# KiCad board fs_resistor_0805_panel.kicad_pcb
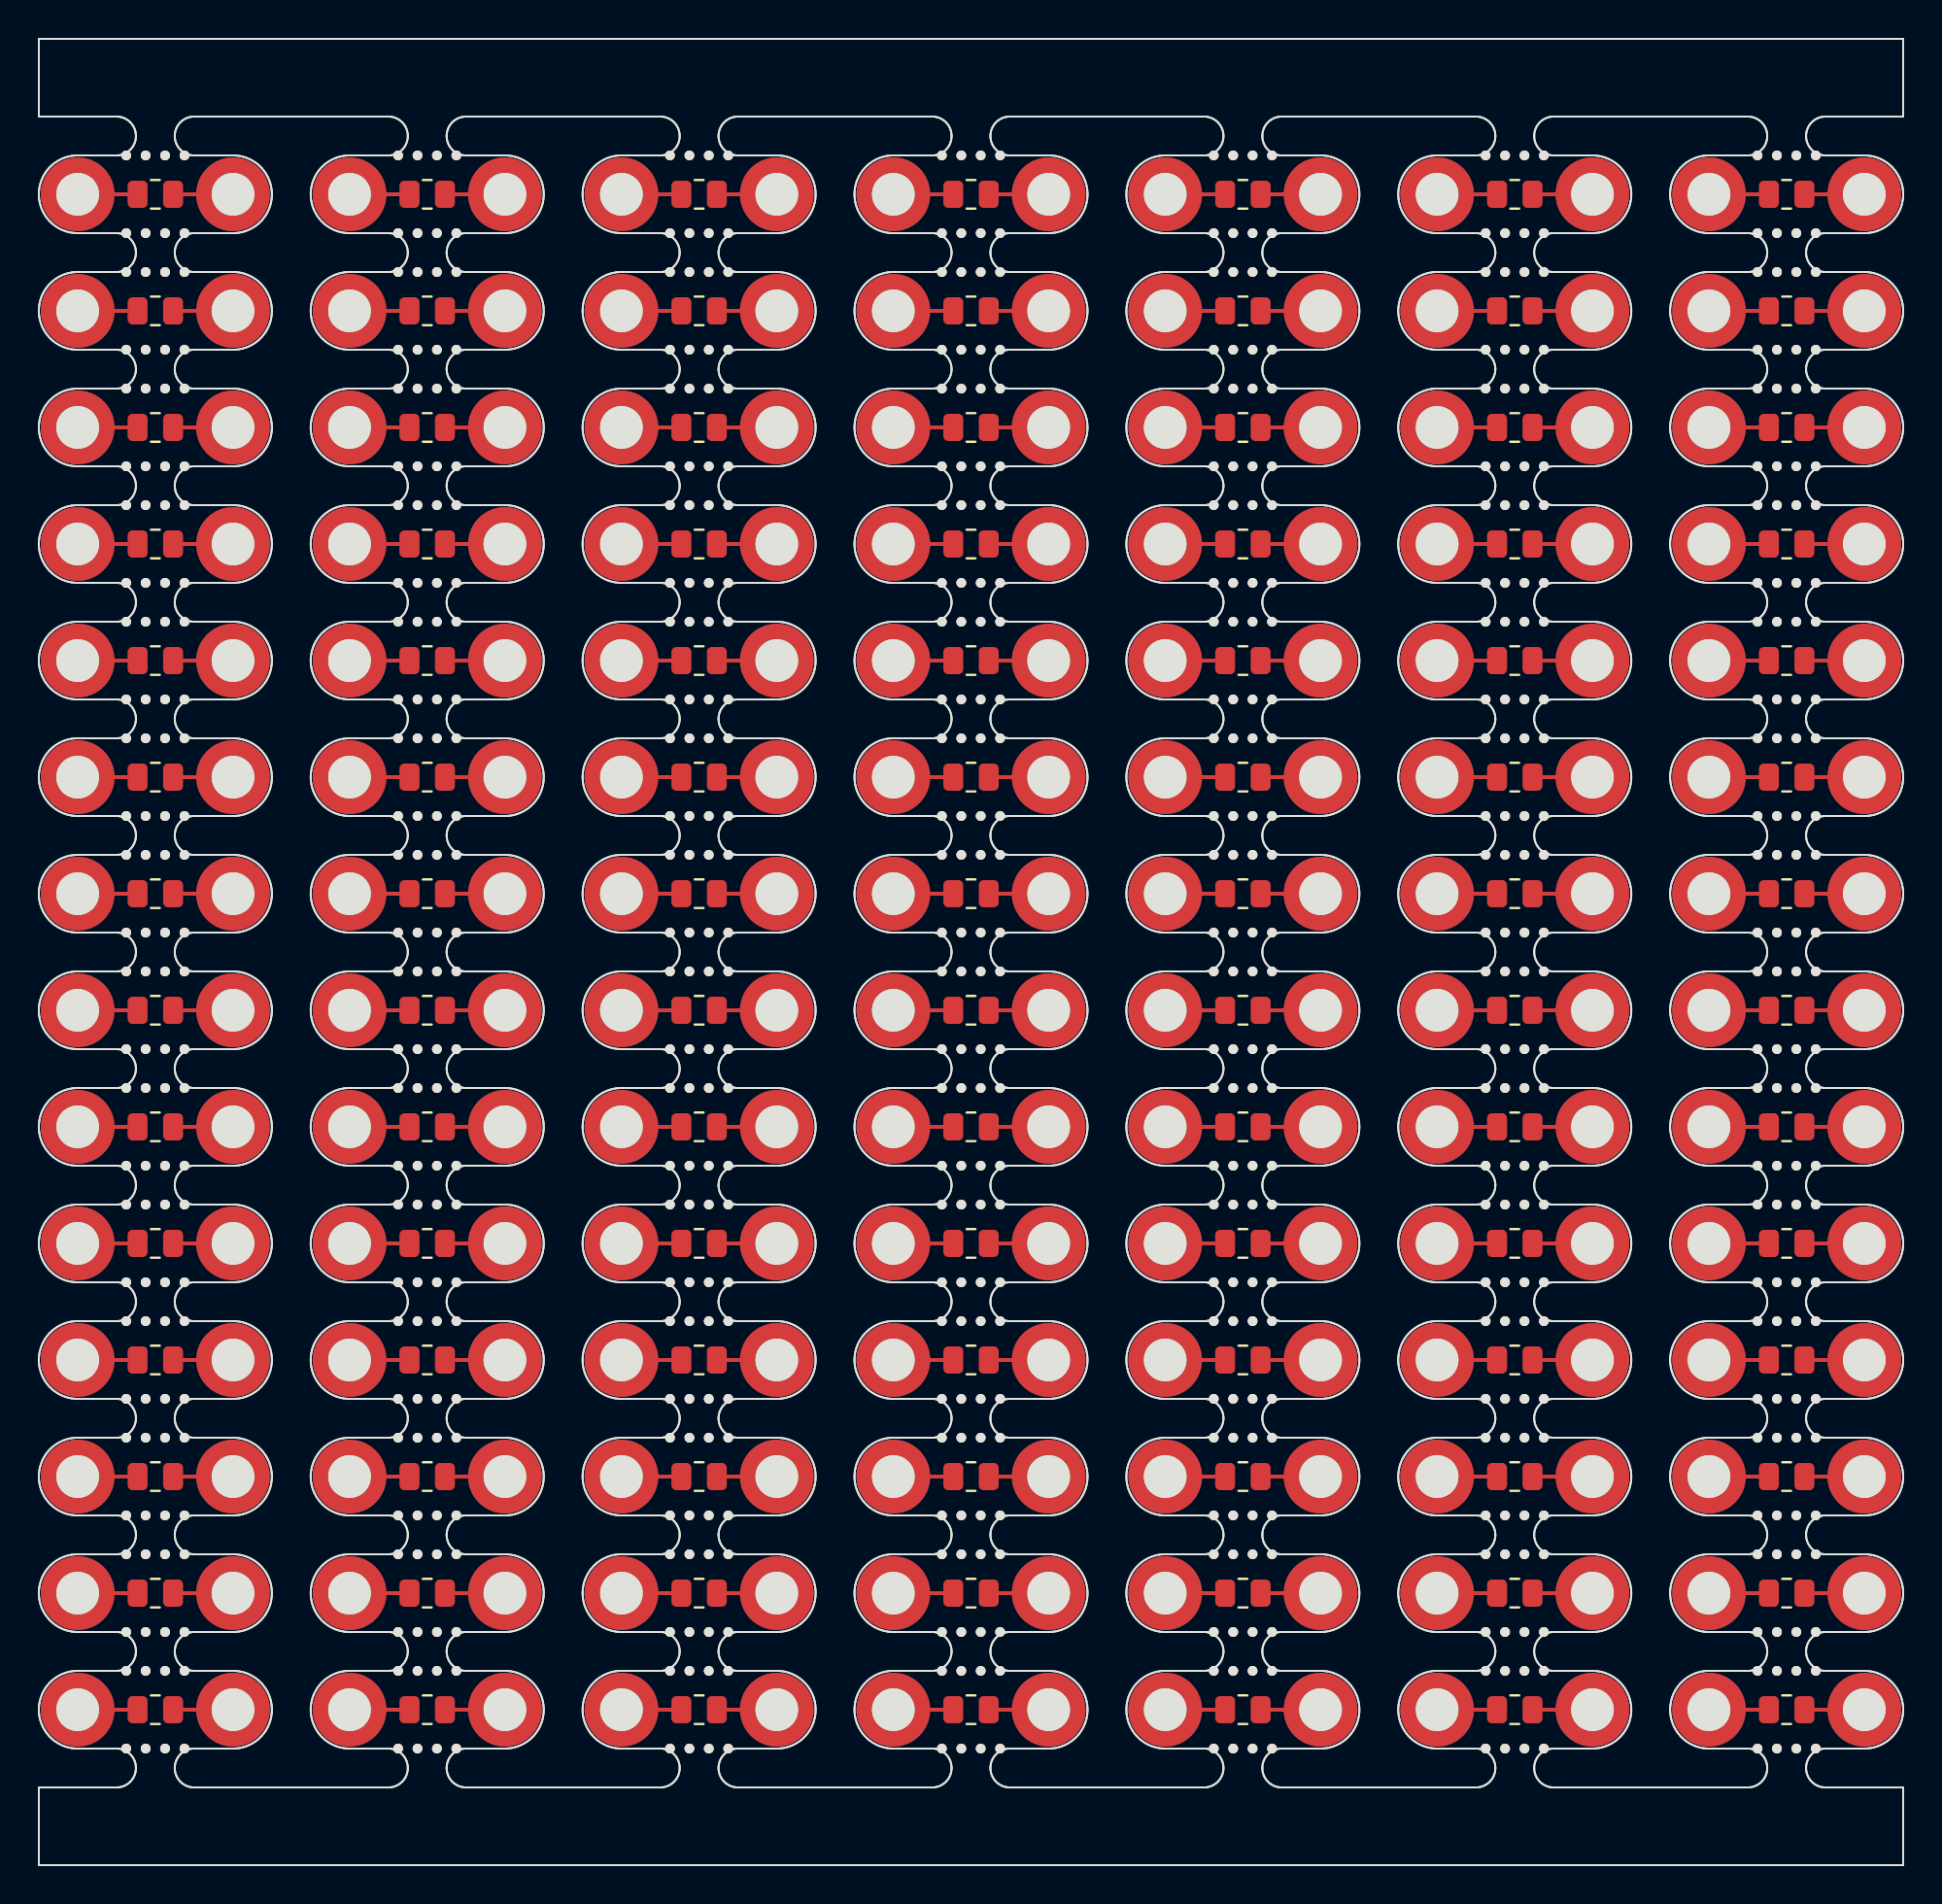
[diagram p0: board, top side]
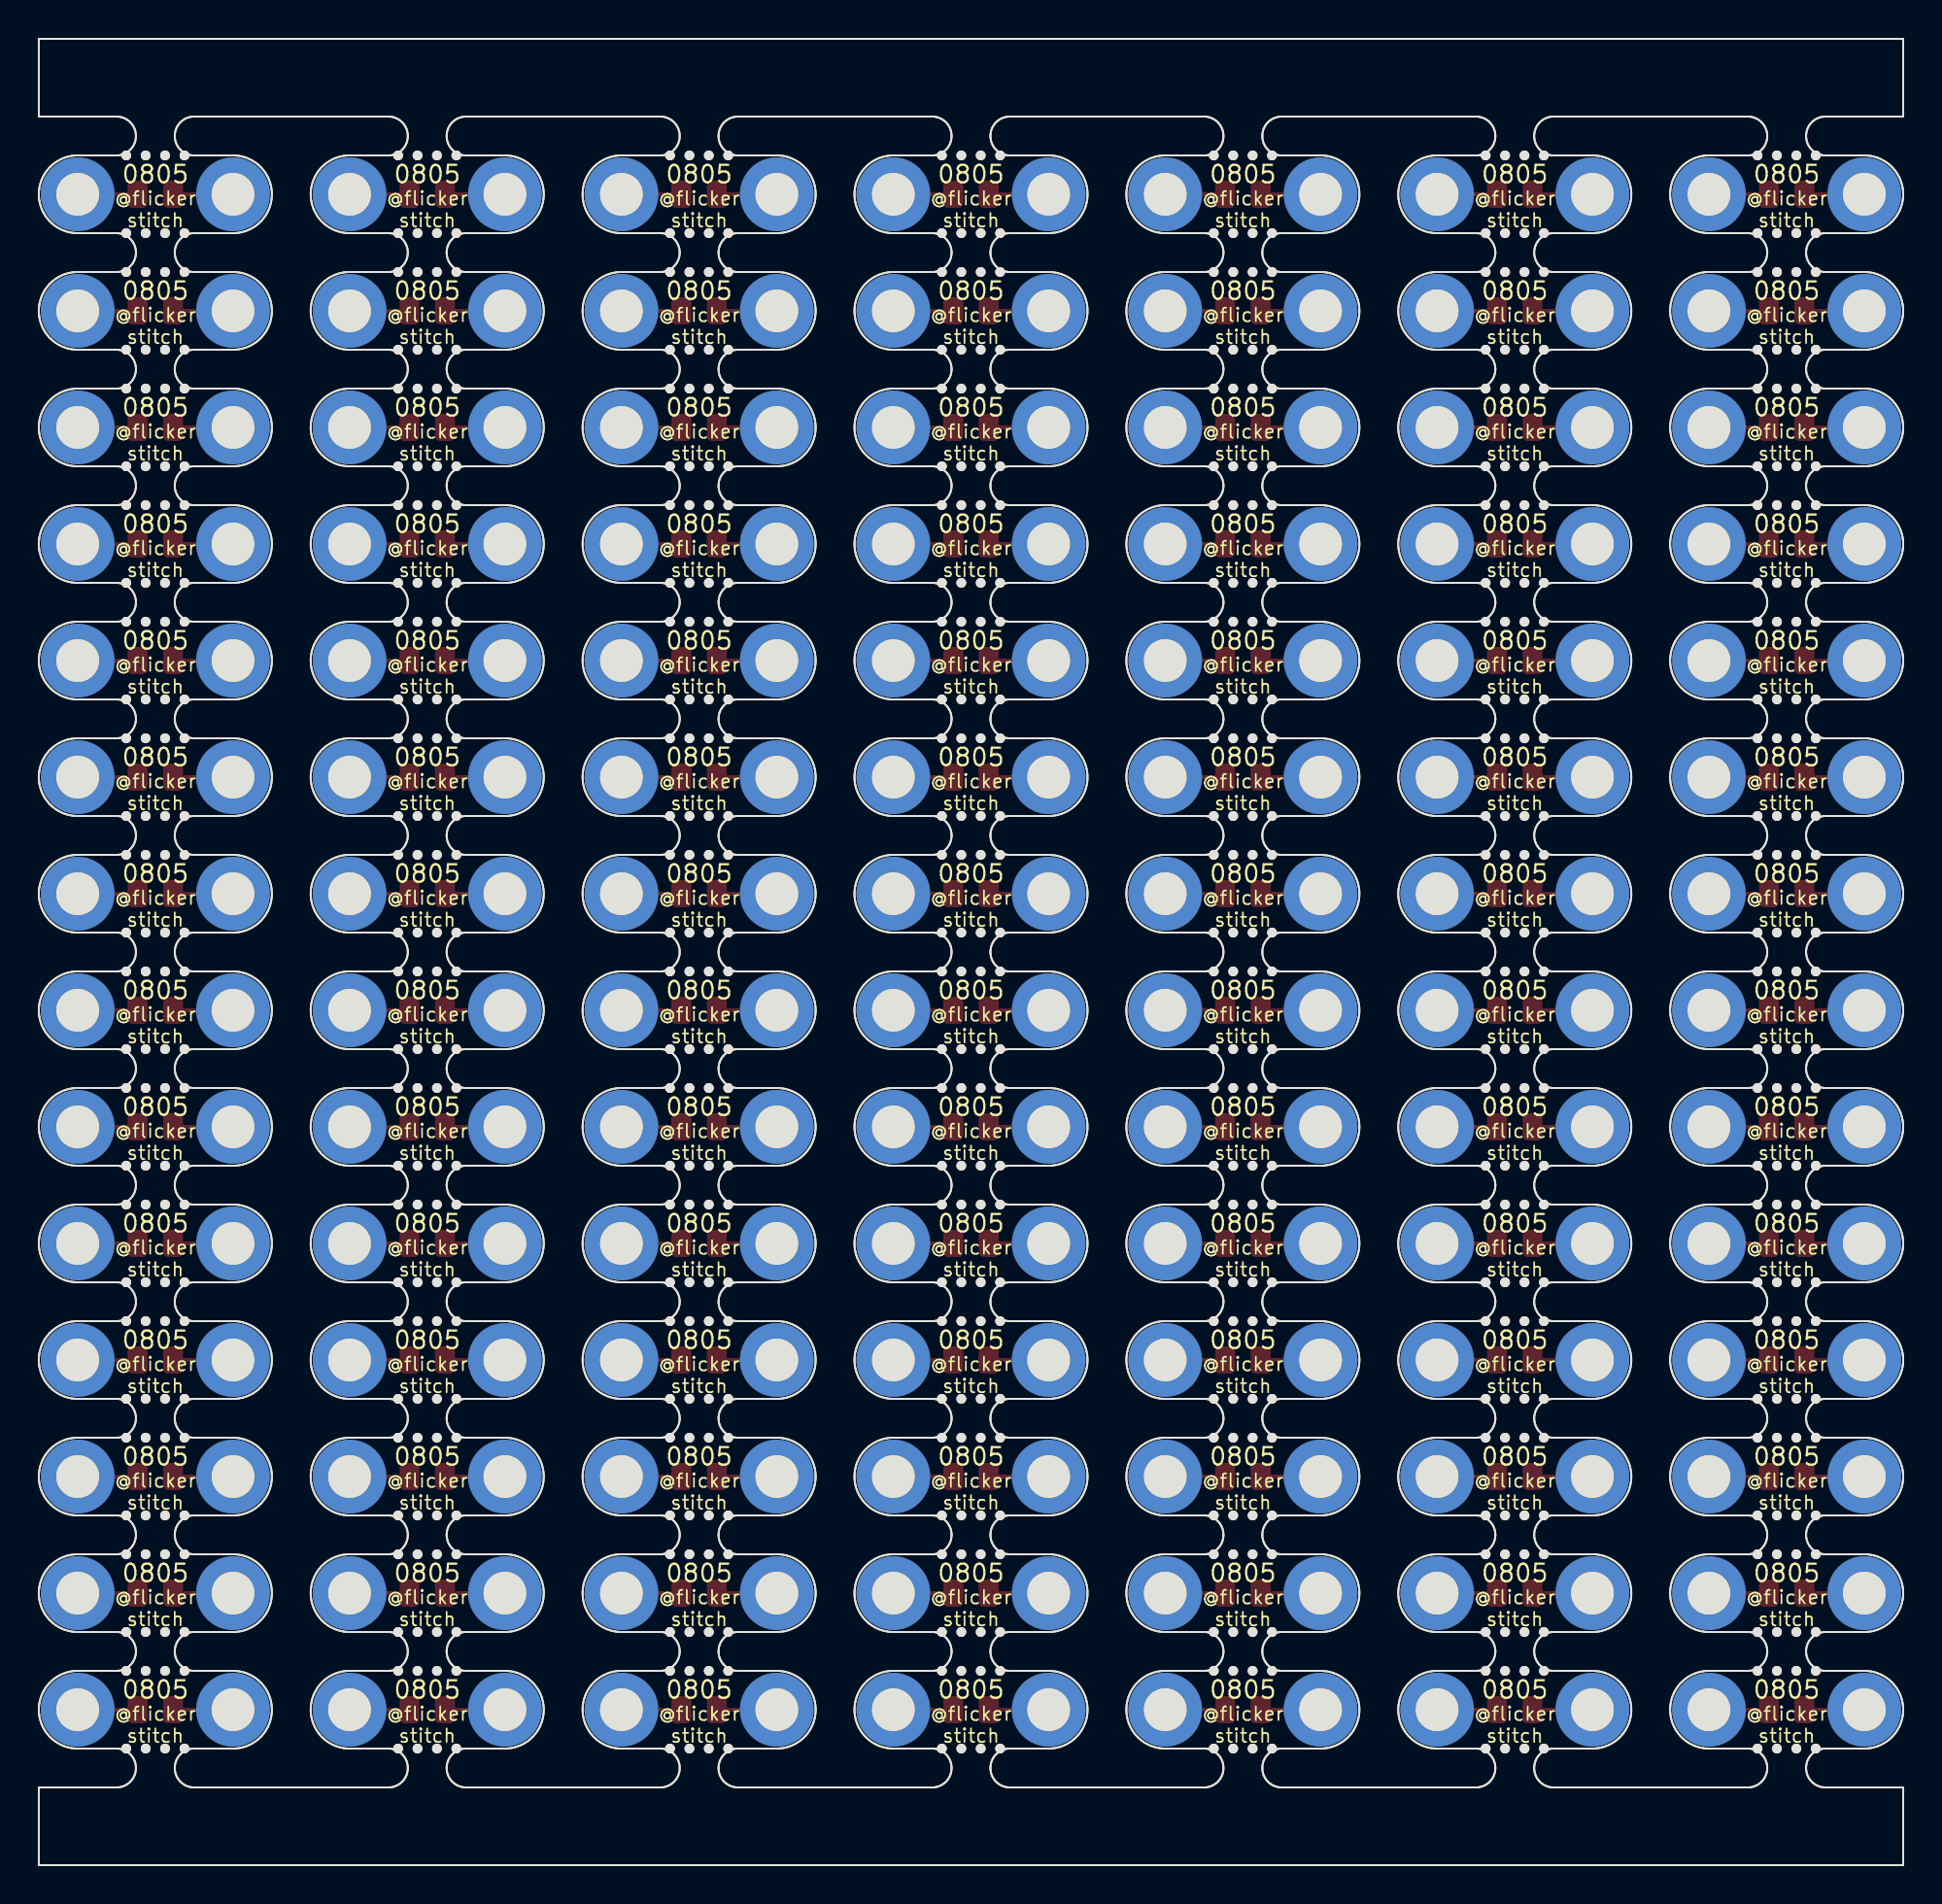
[diagram p1: board, bottom side, seen from below]

Outline 96 x 94 mm; copper layers: Top, Bottom. Coordinates in mm from the lower left corner of the outline.

## Placement (name value [footprint] x y rotation side)
H1  MountingHole_Pad  [MountingHole_2.2mm_M2_DIN965_Pad]  30 20 0 top
H1#2  MountingHole_Pad  [MountingHole_2.2mm_M2_DIN965_Pad]  30 62 0 top
H1#3  MountingHole_Pad  [MountingHole_2.2mm_M2_DIN965_Pad]  58 14 0 top
H1#4  MountingHole_Pad  [MountingHole_2.2mm_M2_DIN965_Pad]  58 56 0 top
H1#5  MountingHole_Pad  [MountingHole_2.2mm_M2_DIN965_Pad]  30 26 0 top
H1#6  MountingHole_Pad  [MountingHole_2.2mm_M2_DIN965_Pad]  72 44 0 top
H1#7  MountingHole_Pad  [MountingHole_2.2mm_M2_DIN965_Pad]  44 32 0 top
H1#8  MountingHole_Pad  [MountingHole_2.2mm_M2_DIN965_Pad]  16 62 0 top
H1#9  MountingHole_Pad  [MountingHole_2.2mm_M2_DIN965_Pad]  16 14 0 top
H1#10  MountingHole_Pad  [MountingHole_2.2mm_M2_DIN965_Pad]  16 86 0 top
H1#11  MountingHole_Pad  [MountingHole_2.2mm_M2_DIN965_Pad]  44 8 0 top
H1#12  MountingHole_Pad  [MountingHole_2.2mm_M2_DIN965_Pad]  44 68 0 top
H1#13  MountingHole_Pad  [MountingHole_2.2mm_M2_DIN965_Pad]  16 50 0 top
H1#14  MountingHole_Pad  [MountingHole_2.2mm_M2_DIN965_Pad]  44 50 0 top
H1#15  MountingHole_Pad  [MountingHole_2.2mm_M2_DIN965_Pad]  86 14 0 top
H1#16  MountingHole_Pad  [MountingHole_2.2mm_M2_DIN965_Pad]  58 20 0 top
H1#17  MountingHole_Pad  [MountingHole_2.2mm_M2_DIN965_Pad]  58 38 0 top
H1#18  MountingHole_Pad  [MountingHole_2.2mm_M2_DIN965_Pad]  2 74 0 top
H1#19  MountingHole_Pad  [MountingHole_2.2mm_M2_DIN965_Pad]  72 62 0 top
H1#20  MountingHole_Pad  [MountingHole_2.2mm_M2_DIN965_Pad]  16 20 0 top
H1#21  MountingHole_Pad  [MountingHole_2.2mm_M2_DIN965_Pad]  44 44 0 top
H1#22  MountingHole_Pad  [MountingHole_2.2mm_M2_DIN965_Pad]  58 62 0 top
H1#23  MountingHole_Pad  [MountingHole_2.2mm_M2_DIN965_Pad]  72 74 0 top
H1#24  MountingHole_Pad  [MountingHole_2.2mm_M2_DIN965_Pad]  16 32 0 top
H1#25  MountingHole_Pad  [MountingHole_2.2mm_M2_DIN965_Pad]  16 68 0 top
H1#26  MountingHole_Pad  [MountingHole_2.2mm_M2_DIN965_Pad]  16 56 0 top
H1#27  MountingHole_Pad  [MountingHole_2.2mm_M2_DIN965_Pad]  30 56 0 top
H1#28  MountingHole_Pad  [MountingHole_2.2mm_M2_DIN965_Pad]  2 80 0 top
H1#29  MountingHole_Pad  [MountingHole_2.2mm_M2_DIN965_Pad]  58 8 0 top
H1#30  MountingHole_Pad  [MountingHole_2.2mm_M2_DIN965_Pad]  72 26 0 top
H1#31  MountingHole_Pad  [MountingHole_2.2mm_M2_DIN965_Pad]  86 68 0 top
H1#32  MountingHole_Pad  [MountingHole_2.2mm_M2_DIN965_Pad]  86 86 0 top
H1#33  MountingHole_Pad  [MountingHole_2.2mm_M2_DIN965_Pad]  58 26 0 top
H1#34  MountingHole_Pad  [MountingHole_2.2mm_M2_DIN965_Pad]  44 38 0 top
H1#35  MountingHole_Pad  [MountingHole_2.2mm_M2_DIN965_Pad]  30 38 0 top
H1#36  MountingHole_Pad  [MountingHole_2.2mm_M2_DIN965_Pad]  30 80 0 top
H1#37  MountingHole_Pad  [MountingHole_2.2mm_M2_DIN965_Pad]  72 8 0 top
H1#38  MountingHole_Pad  [MountingHole_2.2mm_M2_DIN965_Pad]  16 44 0 top
H1#39  MountingHole_Pad  [MountingHole_2.2mm_M2_DIN965_Pad]  44 62 0 top
H1#40  MountingHole_Pad  [MountingHole_2.2mm_M2_DIN965_Pad]  30 86 0 top
H1#41  MountingHole_Pad  [MountingHole_2.2mm_M2_DIN965_Pad]  58 32 0 top
H1#42  MountingHole_Pad  [MountingHole_2.2mm_M2_DIN965_Pad]  30 8 0 top
H1#43  MountingHole_Pad  [MountingHole_2.2mm_M2_DIN965_Pad]  86 26 0 top
H1#44  MountingHole_Pad  [MountingHole_2.2mm_M2_DIN965_Pad]  72 14 0 top
H1#45  MountingHole_Pad  [MountingHole_2.2mm_M2_DIN965_Pad]  30 32 0 top
H1#46  MountingHole_Pad  [MountingHole_2.2mm_M2_DIN965_Pad]  72 80 0 top
H1#47  MountingHole_Pad  [MountingHole_2.2mm_M2_DIN965_Pad]  2 56 0 top
H1#48  MountingHole_Pad  [MountingHole_2.2mm_M2_DIN965_Pad]  2 68 0 top
H1#49  MountingHole_Pad  [MountingHole_2.2mm_M2_DIN965_Pad]  30 74 0 top
H1#50  MountingHole_Pad  [MountingHole_2.2mm_M2_DIN965_Pad]  86 8 0 top
H1#51  MountingHole_Pad  [MountingHole_2.2mm_M2_DIN965_Pad]  86 38 0 top
H1#52  MountingHole_Pad  [MountingHole_2.2mm_M2_DIN965_Pad]  86 62 0 top
H1#53  MountingHole_Pad  [MountingHole_2.2mm_M2_DIN965_Pad]  58 44 0 top
H1#54  MountingHole_Pad  [MountingHole_2.2mm_M2_DIN965_Pad]  2 50 0 top
H1#55  MountingHole_Pad  [MountingHole_2.2mm_M2_DIN965_Pad]  44 74 0 top
H1#56  MountingHole_Pad  [MountingHole_2.2mm_M2_DIN965_Pad]  2 14 0 top
H1#57  MountingHole_Pad  [MountingHole_2.2mm_M2_DIN965_Pad]  44 20 0 top
H1#58  MountingHole_Pad  [MountingHole_2.2mm_M2_DIN965_Pad]  2 32 0 top
H1#59  MountingHole_Pad  [MountingHole_2.2mm_M2_DIN965_Pad]  58 74 0 top
H1#60  MountingHole_Pad  [MountingHole_2.2mm_M2_DIN965_Pad]  2 86 0 top
H1#61  MountingHole_Pad  [MountingHole_2.2mm_M2_DIN965_Pad]  16 74 0 top
H1#62  MountingHole_Pad  [MountingHole_2.2mm_M2_DIN965_Pad]  58 68 0 top
H1#63  MountingHole_Pad  [MountingHole_2.2mm_M2_DIN965_Pad]  16 8 0 top
H1#64  MountingHole_Pad  [MountingHole_2.2mm_M2_DIN965_Pad]  2 26 0 top
H1#65  MountingHole_Pad  [MountingHole_2.2mm_M2_DIN965_Pad]  30 14 0 top
H1#66  MountingHole_Pad  [MountingHole_2.2mm_M2_DIN965_Pad]  72 32 0 top
H1#67  MountingHole_Pad  [MountingHole_2.2mm_M2_DIN965_Pad]  2 8 0 top
H1#68  MountingHole_Pad  [MountingHole_2.2mm_M2_DIN965_Pad]  86 74 0 top
H1#69  MountingHole_Pad  [MountingHole_2.2mm_M2_DIN965_Pad]  30 68 0 top
H1#70  MountingHole_Pad  [MountingHole_2.2mm_M2_DIN965_Pad]  72 50 0 top
H1#71  MountingHole_Pad  [MountingHole_2.2mm_M2_DIN965_Pad]  72 68 0 top
H1#72  MountingHole_Pad  [MountingHole_2.2mm_M2_DIN965_Pad]  58 86 0 top
H1#73  MountingHole_Pad  [MountingHole_2.2mm_M2_DIN965_Pad]  2 62 0 top
H1#74  MountingHole_Pad  [MountingHole_2.2mm_M2_DIN965_Pad]  16 26 0 top
H1#75  MountingHole_Pad  [MountingHole_2.2mm_M2_DIN965_Pad]  44 14 0 top
H1#76  MountingHole_Pad  [MountingHole_2.2mm_M2_DIN965_Pad]  44 26 0 top
H1#77  MountingHole_Pad  [MountingHole_2.2mm_M2_DIN965_Pad]  86 20 0 top
H1#78  MountingHole_Pad  [MountingHole_2.2mm_M2_DIN965_Pad]  72 86 0 top
H1#79  MountingHole_Pad  [MountingHole_2.2mm_M2_DIN965_Pad]  72 38 0 top
H1#80  MountingHole_Pad  [MountingHole_2.2mm_M2_DIN965_Pad]  44 56 0 top
H1#81  MountingHole_Pad  [MountingHole_2.2mm_M2_DIN965_Pad]  44 86 0 top
H1#82  MountingHole_Pad  [MountingHole_2.2mm_M2_DIN965_Pad]  16 80 0 top
H1#83  MountingHole_Pad  [MountingHole_2.2mm_M2_DIN965_Pad]  58 50 0 top
H1#84  MountingHole_Pad  [MountingHole_2.2mm_M2_DIN965_Pad]  2 20 0 top
H1#85  MountingHole_Pad  [MountingHole_2.2mm_M2_DIN965_Pad]  86 50 0 top
H1#86  MountingHole_Pad  [MountingHole_2.2mm_M2_DIN965_Pad]  86 32 0 top
H1#87  MountingHole_Pad  [MountingHole_2.2mm_M2_DIN965_Pad]  72 56 0 top
H1#88  MountingHole_Pad  [MountingHole_2.2mm_M2_DIN965_Pad]  72 20 0 top
H1#89  MountingHole_Pad  [MountingHole_2.2mm_M2_DIN965_Pad]  58 80 0 top
H1#90  MountingHole_Pad  [MountingHole_2.2mm_M2_DIN965_Pad]  30 44 0 top
H1#91  MountingHole_Pad  [MountingHole_2.2mm_M2_DIN965_Pad]  44 80 0 top
H1#92  MountingHole_Pad  [MountingHole_2.2mm_M2_DIN965_Pad]  2 38 0 top
H1#93  MountingHole_Pad  [MountingHole_2.2mm_M2_DIN965_Pad]  2 44 0 top
H1#94  MountingHole_Pad  [MountingHole_2.2mm_M2_DIN965_Pad]  16 38 0 top
H1#95  MountingHole_Pad  [MountingHole_2.2mm_M2_DIN965_Pad]  86 80 0 top
H1#96  MountingHole_Pad  [MountingHole_2.2mm_M2_DIN965_Pad]  30 50 0 top
H1#97  MountingHole_Pad  [MountingHole_2.2mm_M2_DIN965_Pad]  86 44 0 top
H1#98  MountingHole_Pad  [MountingHole_2.2mm_M2_DIN965_Pad]  86 56 0 top
H2  MountingHole_Pad  [MountingHole_2.2mm_M2_DIN965_Pad]  66 86 0 top
H2#2  MountingHole_Pad  [MountingHole_2.2mm_M2_DIN965_Pad]  38 8 0 top
H2#3  MountingHole_Pad  [MountingHole_2.2mm_M2_DIN965_Pad]  80 38 0 top
H2#4  MountingHole_Pad  [MountingHole_2.2mm_M2_DIN965_Pad]  10 74 0 top
H2#5  MountingHole_Pad  [MountingHole_2.2mm_M2_DIN965_Pad]  10 68 0 top
H2#6  MountingHole_Pad  [MountingHole_2.2mm_M2_DIN965_Pad]  80 20 0 top
H2#7  MountingHole_Pad  [MountingHole_2.2mm_M2_DIN965_Pad]  38 86 0 top
H2#8  MountingHole_Pad  [MountingHole_2.2mm_M2_DIN965_Pad]  24 38 0 top
H2#9  MountingHole_Pad  [MountingHole_2.2mm_M2_DIN965_Pad]  24 20 0 top
H2#10  MountingHole_Pad  [MountingHole_2.2mm_M2_DIN965_Pad]  10 80 0 top
H2#11  MountingHole_Pad  [MountingHole_2.2mm_M2_DIN965_Pad]  94 80 0 top
H2#12  MountingHole_Pad  [MountingHole_2.2mm_M2_DIN965_Pad]  80 68 0 top
H2#13  MountingHole_Pad  [MountingHole_2.2mm_M2_DIN965_Pad]  80 44 0 top
H2#14  MountingHole_Pad  [MountingHole_2.2mm_M2_DIN965_Pad]  10 44 0 top
H2#15  MountingHole_Pad  [MountingHole_2.2mm_M2_DIN965_Pad]  24 86 0 top
H2#16  MountingHole_Pad  [MountingHole_2.2mm_M2_DIN965_Pad]  94 62 0 top
H2#17  MountingHole_Pad  [MountingHole_2.2mm_M2_DIN965_Pad]  94 68 0 top
H2#18  MountingHole_Pad  [MountingHole_2.2mm_M2_DIN965_Pad]  94 26 0 top
H2#19  MountingHole_Pad  [MountingHole_2.2mm_M2_DIN965_Pad]  38 38 0 top
H2#20  MountingHole_Pad  [MountingHole_2.2mm_M2_DIN965_Pad]  94 38 0 top
H2#21  MountingHole_Pad  [MountingHole_2.2mm_M2_DIN965_Pad]  10 50 0 top
H2#22  MountingHole_Pad  [MountingHole_2.2mm_M2_DIN965_Pad]  94 14 0 top
H2#23  MountingHole_Pad  [MountingHole_2.2mm_M2_DIN965_Pad]  38 44 0 top
H2#24  MountingHole_Pad  [MountingHole_2.2mm_M2_DIN965_Pad]  10 14 0 top
H2#25  MountingHole_Pad  [MountingHole_2.2mm_M2_DIN965_Pad]  38 74 0 top
H2#26  MountingHole_Pad  [MountingHole_2.2mm_M2_DIN965_Pad]  80 86 0 top
H2#27  MountingHole_Pad  [MountingHole_2.2mm_M2_DIN965_Pad]  52 44 0 top
H2#28  MountingHole_Pad  [MountingHole_2.2mm_M2_DIN965_Pad]  38 56 0 top
H2#29  MountingHole_Pad  [MountingHole_2.2mm_M2_DIN965_Pad]  66 26 0 top
H2#30  MountingHole_Pad  [MountingHole_2.2mm_M2_DIN965_Pad]  52 20 0 top
H2#31  MountingHole_Pad  [MountingHole_2.2mm_M2_DIN965_Pad]  52 8 0 top
H2#32  MountingHole_Pad  [MountingHole_2.2mm_M2_DIN965_Pad]  66 80 0 top
H2#33  MountingHole_Pad  [MountingHole_2.2mm_M2_DIN965_Pad]  10 8 0 top
H2#34  MountingHole_Pad  [MountingHole_2.2mm_M2_DIN965_Pad]  52 56 0 top
H2#35  MountingHole_Pad  [MountingHole_2.2mm_M2_DIN965_Pad]  66 32 0 top
H2#36  MountingHole_Pad  [MountingHole_2.2mm_M2_DIN965_Pad]  66 56 0 top
H2#37  MountingHole_Pad  [MountingHole_2.2mm_M2_DIN965_Pad]  52 38 0 top
H2#38  MountingHole_Pad  [MountingHole_2.2mm_M2_DIN965_Pad]  10 26 0 top
H2#39  MountingHole_Pad  [MountingHole_2.2mm_M2_DIN965_Pad]  80 50 0 top
H2#40  MountingHole_Pad  [MountingHole_2.2mm_M2_DIN965_Pad]  24 80 0 top
H2#41  MountingHole_Pad  [MountingHole_2.2mm_M2_DIN965_Pad]  94 20 0 top
H2#42  MountingHole_Pad  [MountingHole_2.2mm_M2_DIN965_Pad]  66 68 0 top
H2#43  MountingHole_Pad  [MountingHole_2.2mm_M2_DIN965_Pad]  10 38 0 top
H2#44  MountingHole_Pad  [MountingHole_2.2mm_M2_DIN965_Pad]  52 50 0 top
H2#45  MountingHole_Pad  [MountingHole_2.2mm_M2_DIN965_Pad]  52 86 0 top
H2#46  MountingHole_Pad  [MountingHole_2.2mm_M2_DIN965_Pad]  94 50 0 top
H2#47  MountingHole_Pad  [MountingHole_2.2mm_M2_DIN965_Pad]  38 50 0 top
H2#48  MountingHole_Pad  [MountingHole_2.2mm_M2_DIN965_Pad]  24 14 0 top
H2#49  MountingHole_Pad  [MountingHole_2.2mm_M2_DIN965_Pad]  24 62 0 top
H2#50  MountingHole_Pad  [MountingHole_2.2mm_M2_DIN965_Pad]  38 14 0 top
H2#51  MountingHole_Pad  [MountingHole_2.2mm_M2_DIN965_Pad]  38 32 0 top
H2#52  MountingHole_Pad  [MountingHole_2.2mm_M2_DIN965_Pad]  80 26 0 top
H2#53  MountingHole_Pad  [MountingHole_2.2mm_M2_DIN965_Pad]  80 74 0 top
H2#54  MountingHole_Pad  [MountingHole_2.2mm_M2_DIN965_Pad]  52 62 0 top
H2#55  MountingHole_Pad  [MountingHole_2.2mm_M2_DIN965_Pad]  80 62 0 top
H2#56  MountingHole_Pad  [MountingHole_2.2mm_M2_DIN965_Pad]  52 68 0 top
H2#57  MountingHole_Pad  [MountingHole_2.2mm_M2_DIN965_Pad]  38 80 0 top
H2#58  MountingHole_Pad  [MountingHole_2.2mm_M2_DIN965_Pad]  24 74 0 top
H2#59  MountingHole_Pad  [MountingHole_2.2mm_M2_DIN965_Pad]  94 56 0 top
H2#60  MountingHole_Pad  [MountingHole_2.2mm_M2_DIN965_Pad]  66 8 0 top
H2#61  MountingHole_Pad  [MountingHole_2.2mm_M2_DIN965_Pad]  38 62 0 top
H2#62  MountingHole_Pad  [MountingHole_2.2mm_M2_DIN965_Pad]  38 20 0 top
H2#63  MountingHole_Pad  [MountingHole_2.2mm_M2_DIN965_Pad]  24 50 0 top
H2#64  MountingHole_Pad  [MountingHole_2.2mm_M2_DIN965_Pad]  52 74 0 top
H2#65  MountingHole_Pad  [MountingHole_2.2mm_M2_DIN965_Pad]  24 56 0 top
H2#66  MountingHole_Pad  [MountingHole_2.2mm_M2_DIN965_Pad]  94 86 0 top
H2#67  MountingHole_Pad  [MountingHole_2.2mm_M2_DIN965_Pad]  66 44 0 top
H2#68  MountingHole_Pad  [MountingHole_2.2mm_M2_DIN965_Pad]  24 44 0 top
H2#69  MountingHole_Pad  [MountingHole_2.2mm_M2_DIN965_Pad]  80 8 0 top
H2#70  MountingHole_Pad  [MountingHole_2.2mm_M2_DIN965_Pad]  52 32 0 top
H2#71  MountingHole_Pad  [MountingHole_2.2mm_M2_DIN965_Pad]  10 62 0 top
H2#72  MountingHole_Pad  [MountingHole_2.2mm_M2_DIN965_Pad]  80 14 0 top
H2#73  MountingHole_Pad  [MountingHole_2.2mm_M2_DIN965_Pad]  10 56 0 top
H2#74  MountingHole_Pad  [MountingHole_2.2mm_M2_DIN965_Pad]  94 74 0 top
H2#75  MountingHole_Pad  [MountingHole_2.2mm_M2_DIN965_Pad]  66 20 0 top
H2#76  MountingHole_Pad  [MountingHole_2.2mm_M2_DIN965_Pad]  24 68 0 top
H2#77  MountingHole_Pad  [MountingHole_2.2mm_M2_DIN965_Pad]  80 56 0 top
H2#78  MountingHole_Pad  [MountingHole_2.2mm_M2_DIN965_Pad]  24 8 0 top
H2#79  MountingHole_Pad  [MountingHole_2.2mm_M2_DIN965_Pad]  38 26 0 top
H2#80  MountingHole_Pad  [MountingHole_2.2mm_M2_DIN965_Pad]  52 26 0 top
H2#81  MountingHole_Pad  [MountingHole_2.2mm_M2_DIN965_Pad]  94 44 0 top
H2#82  MountingHole_Pad  [MountingHole_2.2mm_M2_DIN965_Pad]  66 14 0 top
H2#83  MountingHole_Pad  [MountingHole_2.2mm_M2_DIN965_Pad]  10 20 0 top
H2#84  MountingHole_Pad  [MountingHole_2.2mm_M2_DIN965_Pad]  66 74 0 top
H2#85  MountingHole_Pad  [MountingHole_2.2mm_M2_DIN965_Pad]  80 80 0 top
H2#86  MountingHole_Pad  [MountingHole_2.2mm_M2_DIN965_Pad]  52 14 0 top
H2#87  MountingHole_Pad  [MountingHole_2.2mm_M2_DIN965_Pad]  10 32 0 top
H2#88  MountingHole_Pad  [MountingHole_2.2mm_M2_DIN965_Pad]  10 86 0 top
H2#89  MountingHole_Pad  [MountingHole_2.2mm_M2_DIN965_Pad]  24 32 0 top
H2#90  MountingHole_Pad  [MountingHole_2.2mm_M2_DIN965_Pad]  66 38 0 top
H2#91  MountingHole_Pad  [MountingHole_2.2mm_M2_DIN965_Pad]  80 32 0 top
H2#92  MountingHole_Pad  [MountingHole_2.2mm_M2_DIN965_Pad]  66 62 0 top
H2#93  MountingHole_Pad  [MountingHole_2.2mm_M2_DIN965_Pad]  52 80 0 top
H2#94  MountingHole_Pad  [MountingHole_2.2mm_M2_DIN965_Pad]  94 8 0 top
H2#95  MountingHole_Pad  [MountingHole_2.2mm_M2_DIN965_Pad]  94 32 0 top
H2#96  MountingHole_Pad  [MountingHole_2.2mm_M2_DIN965_Pad]  24 26 0 top
H2#97  MountingHole_Pad  [MountingHole_2.2mm_M2_DIN965_Pad]  66 50 0 top
H2#98  MountingHole_Pad  [MountingHole_2.2mm_M2_DIN965_Pad]  38 68 0 top
KiKit_MB_1_1  -  [NPTH]  4.5 88 0 top
KiKit_MB_1_2  -  [NPTH]  5.5 88 0 top
KiKit_MB_1_3  -  [NPTH]  6.5 88 0 top
KiKit_MB_1_4  -  [NPTH]  7.5 88 0 top
KiKit_MB_2_1  -  [NPTH]  7.5 84 0 top
KiKit_MB_2_2  -  [NPTH]  6.5 84 0 top
KiKit_MB_2_3  -  [NPTH]  5.5 84 0 top
KiKit_MB_2_4  -  [NPTH]  4.5 84 0 top
KiKit_MB_3_1  -  [NPTH]  18.5 88 0 top
KiKit_MB_3_2  -  [NPTH]  19.5 88 0 top
KiKit_MB_3_3  -  [NPTH]  20.5 88 0 top
KiKit_MB_3_4  -  [NPTH]  21.5 88 0 top
KiKit_MB_4_1  -  [NPTH]  21.5 84 0 top
KiKit_MB_4_2  -  [NPTH]  20.5 84 0 top
KiKit_MB_4_3  -  [NPTH]  19.5 84 0 top
KiKit_MB_4_4  -  [NPTH]  18.5 84 0 top
KiKit_MB_5_1  -  [NPTH]  32.5 88 0 top
KiKit_MB_5_2  -  [NPTH]  33.5 88 0 top
KiKit_MB_5_3  -  [NPTH]  34.5 88 0 top
KiKit_MB_5_4  -  [NPTH]  35.5 88 0 top
KiKit_MB_6_1  -  [NPTH]  35.5 84 0 top
KiKit_MB_6_2  -  [NPTH]  34.5 84 0 top
KiKit_MB_6_3  -  [NPTH]  33.5 84 0 top
KiKit_MB_6_4  -  [NPTH]  32.5 84 0 top
KiKit_MB_7_1  -  [NPTH]  46.5 88 0 top
KiKit_MB_7_2  -  [NPTH]  47.5 88 0 top
KiKit_MB_7_3  -  [NPTH]  48.5 88 0 top
KiKit_MB_7_4  -  [NPTH]  49.5 88 0 top
KiKit_MB_8_1  -  [NPTH]  49.5 84 0 top
KiKit_MB_8_2  -  [NPTH]  48.5 84 0 top
KiKit_MB_8_3  -  [NPTH]  47.5 84 0 top
KiKit_MB_8_4  -  [NPTH]  46.5 84 0 top
KiKit_MB_9_1  -  [NPTH]  60.5 88 0 top
KiKit_MB_9_2  -  [NPTH]  61.5 88 0 top
KiKit_MB_9_3  -  [NPTH]  62.5 88 0 top
KiKit_MB_9_4  -  [NPTH]  63.5 88 0 top
KiKit_MB_10_1  -  [NPTH]  63.5 84 0 top
KiKit_MB_10_2  -  [NPTH]  62.5 84 0 top
KiKit_MB_10_3  -  [NPTH]  61.5 84 0 top
KiKit_MB_10_4  -  [NPTH]  60.5 84 0 top
KiKit_MB_11_1  -  [NPTH]  74.5 88 0 top
KiKit_MB_11_2  -  [NPTH]  75.5 88 0 top
KiKit_MB_11_3  -  [NPTH]  76.5 88 0 top
KiKit_MB_11_4  -  [NPTH]  77.5 88 0 top
KiKit_MB_12_1  -  [NPTH]  77.5 84 0 top
KiKit_MB_12_2  -  [NPTH]  76.5 84 0 top
KiKit_MB_12_3  -  [NPTH]  75.5 84 0 top
KiKit_MB_12_4  -  [NPTH]  74.5 84 0 top
KiKit_MB_13_1  -  [NPTH]  88.5 88 0 top
KiKit_MB_13_2  -  [NPTH]  89.5 88 0 top
KiKit_MB_13_3  -  [NPTH]  90.5 88 0 top
KiKit_MB_13_4  -  [NPTH]  91.5 88 0 top
KiKit_MB_14_1  -  [NPTH]  91.5 84 0 top
KiKit_MB_14_2  -  [NPTH]  90.5 84 0 top
KiKit_MB_14_3  -  [NPTH]  89.5 84 0 top
KiKit_MB_14_4  -  [NPTH]  88.5 84 0 top
KiKit_MB_15_1  -  [NPTH]  4.5 82 0 top
KiKit_MB_15_2  -  [NPTH]  5.5 82 0 top
KiKit_MB_15_3  -  [NPTH]  6.5 82 0 top
KiKit_MB_15_4  -  [NPTH]  7.5 82 0 top
KiKit_MB_16_1  -  [NPTH]  7.5 78 0 top
KiKit_MB_16_2  -  [NPTH]  6.5 78 0 top
KiKit_MB_16_3  -  [NPTH]  5.5 78 0 top
KiKit_MB_16_4  -  [NPTH]  4.5 78 0 top
KiKit_MB_17_1  -  [NPTH]  18.5 82 0 top
KiKit_MB_17_2  -  [NPTH]  19.5 82 0 top
KiKit_MB_17_3  -  [NPTH]  20.5 82 0 top
KiKit_MB_17_4  -  [NPTH]  21.5 82 0 top
KiKit_MB_18_1  -  [NPTH]  21.5 78 0 top
KiKit_MB_18_2  -  [NPTH]  20.5 78 0 top
KiKit_MB_18_3  -  [NPTH]  19.5 78 0 top
KiKit_MB_18_4  -  [NPTH]  18.5 78 0 top
KiKit_MB_19_1  -  [NPTH]  32.5 82 0 top
KiKit_MB_19_2  -  [NPTH]  33.5 82 0 top
KiKit_MB_19_3  -  [NPTH]  34.5 82 0 top
KiKit_MB_19_4  -  [NPTH]  35.5 82 0 top
KiKit_MB_20_1  -  [NPTH]  35.5 78 0 top
KiKit_MB_20_2  -  [NPTH]  34.5 78 0 top
KiKit_MB_20_3  -  [NPTH]  33.5 78 0 top
KiKit_MB_20_4  -  [NPTH]  32.5 78 0 top
KiKit_MB_21_1  -  [NPTH]  46.5 82 0 top
KiKit_MB_21_2  -  [NPTH]  47.5 82 0 top
KiKit_MB_21_3  -  [NPTH]  48.5 82 0 top
KiKit_MB_21_4  -  [NPTH]  49.5 82 0 top
KiKit_MB_22_1  -  [NPTH]  49.5 78 0 top
KiKit_MB_22_2  -  [NPTH]  48.5 78 0 top
KiKit_MB_22_3  -  [NPTH]  47.5 78 0 top
KiKit_MB_22_4  -  [NPTH]  46.5 78 0 top
KiKit_MB_23_1  -  [NPTH]  60.5 82 0 top
KiKit_MB_23_2  -  [NPTH]  61.5 82 0 top
KiKit_MB_23_3  -  [NPTH]  62.5 82 0 top
KiKit_MB_23_4  -  [NPTH]  63.5 82 0 top
KiKit_MB_24_1  -  [NPTH]  63.5 78 0 top
KiKit_MB_24_2  -  [NPTH]  62.5 78 0 top
KiKit_MB_24_3  -  [NPTH]  61.5 78 0 top
KiKit_MB_24_4  -  [NPTH]  60.5 78 0 top
KiKit_MB_25_1  -  [NPTH]  74.5 82 0 top
KiKit_MB_25_2  -  [NPTH]  75.5 82 0 top
KiKit_MB_25_3  -  [NPTH]  76.5 82 0 top
KiKit_MB_25_4  -  [NPTH]  77.5 82 0 top